# Altium PCB PCB-Tester-Board-V1.PcbDoc (part 1 of 7) (continued)
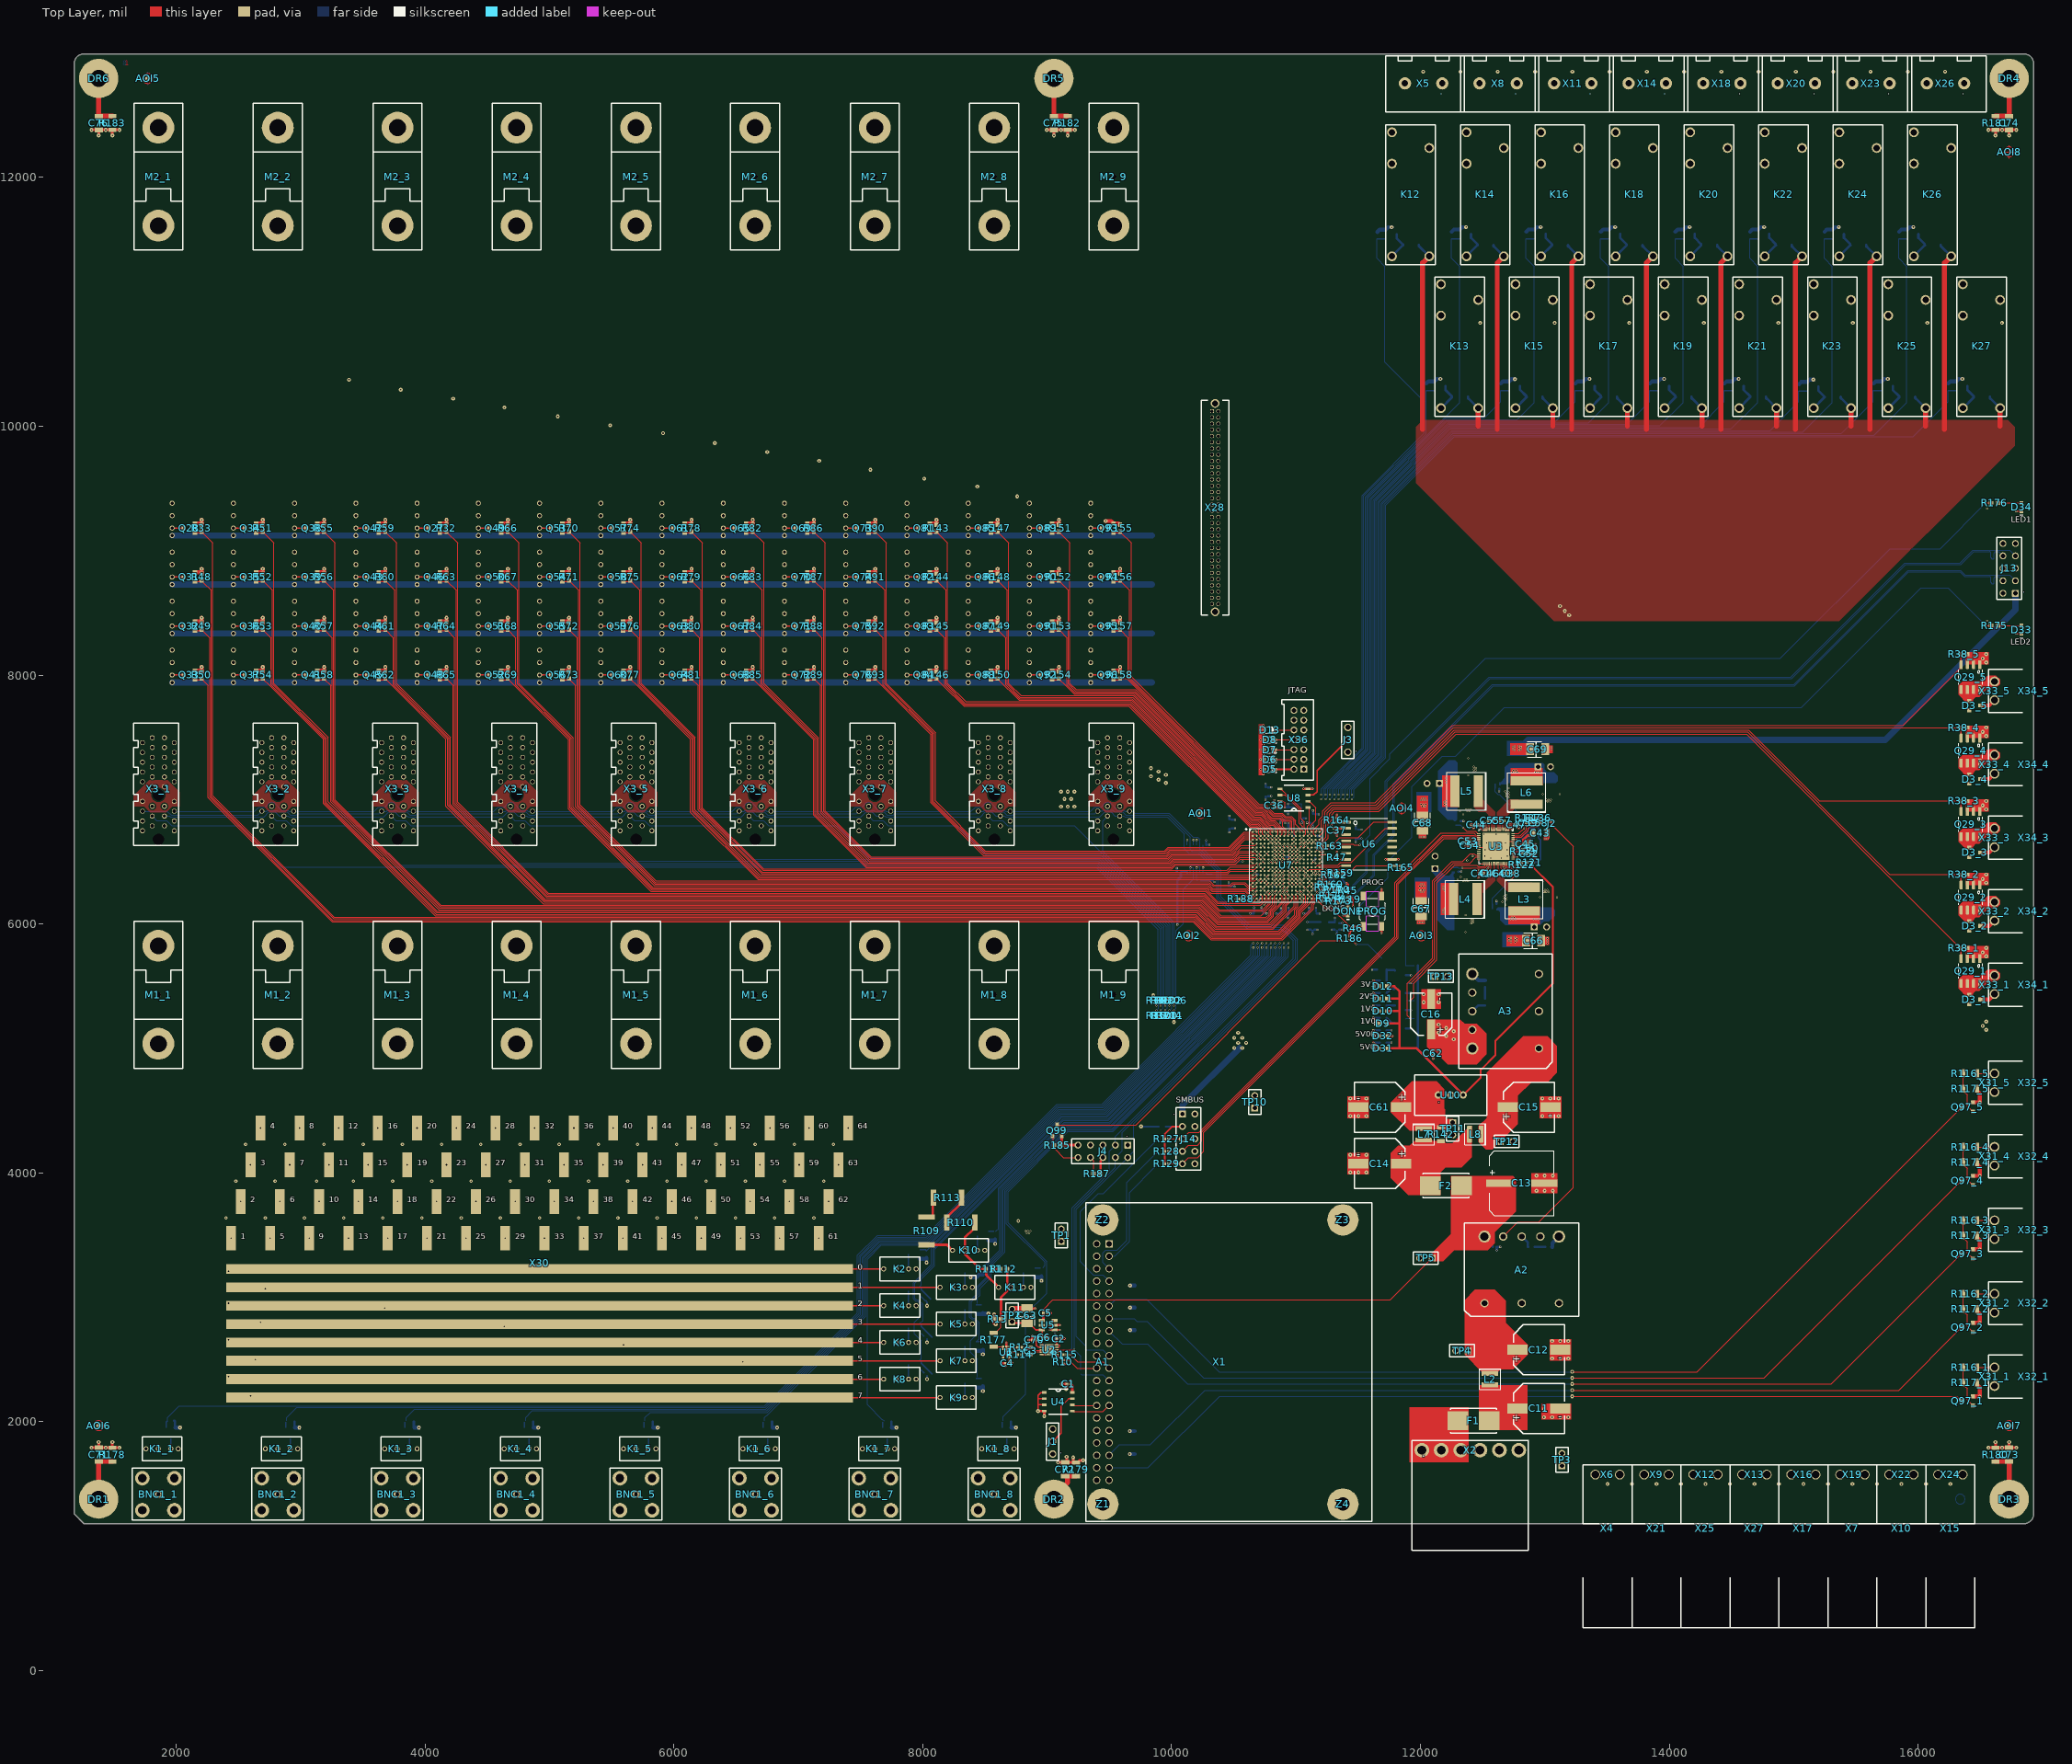
[diagram p0: Top Layer view]
## Classes and differential pairs (continued)
differential pair F_HS1_15: +F_HS1_15_P -F_HS1_15_N

## Components (designator, comment, footprint, x,y, rotation, side; value= is the part's Value field where it differs from the comment)
A1 "A" RPI4B 9448.82,2480.32 r270 top locked
A2 "A" I3A-POSETIVE 12814.96,3220.47 r90 top
A3 "A" I3A-POSETIVE 12685.04,5299.21 r180 top
AOI1 "AOI" "Fiducial Point" 10236.22,6889.76 r0 top
AOI2 "AOI" "Fiducial Point" 10137.8,5905.51 r90 top
AOI3 "AOI" "Fiducial Point" 12007.87,5905.51 r90 top
AOI4 "AOI" "Fiducial Cross" 11850.39,6929.13 r90 top
AOI5 "AOI" "Fiducial Point" 1771.65,12795.28 r90 top
AOI6 "AOI" "Fiducial Point" 1377.95,1968.5 r90 top
AOI7 "AOI" "Fiducial Point" 16732.28,1968.5 r90 top
AOI8 "AOI" "Fiducial Cross" 16732.28,12204.72 r90 top
AOI9 "AOI" "Fiducial Point" 1377.95,1968.5 r90 bottom
AOI10 "AOI" "Fiducial Point" 16338.58,1377.95 r90 bottom
AOI11 "AOI" "Fiducial Point" 16732.28,12204.72 r90 bottom
AOI12 "AOI" "Fiducial Cross" 1771.65,12795.28 r90 bottom
BNC1_1 "X" BNC 1857.78,1417.32 r180 top locked (schematic designator BNC1)
BNC1_2 "X" BNC 2817.42,1417.32 r180 top locked (schematic designator BNC1)
BNC1_3 "X" BNC 3777.07,1417.32 r180 top locked (schematic designator BNC1)
BNC1_4 "X" BNC 4736.71,1417.32 r180 top locked (schematic designator BNC1)
BNC1_5 "X" BNC 5696.36,1417.32 r180 top locked (schematic designator BNC1)
BNC1_6 "X" BNC 6656,1417.32 r180 top locked (schematic designator BNC1)
BNC1_7 "X" BNC 7615.65,1417.32 r180 top locked (schematic designator BNC1)
BNC1_8 "X" BNC 8575.3,1417.32 r180 top locked (schematic designator BNC1)
C1 "C" "C0402 Reflow" 9173.23,2303.15 r180 top value=100nF
C2 "C" "C0402 Reflow" 9094.49,2667.32 r0 top value=100nF
C3 "C" "C0603 Reflow" 8868.11,2568.9 r270 top value=2.2nF
C4 "C" "C0402 Reflow" 8681.1,2470.47 r180 top value=100nF
C5 "C" "C0402 Reflow" 8986.22,2874.02 r0 top value=100nF
C6 "C" "C0402 Reflow" 8976.38,2677.17 r0 top value=1uF
C7 "C" "C1206 Reflow" 12696.85,6456.69 r90 bottom value=10uF
C8 "C" "C1206 Reflow" 12795.28,6417.32 r90 bottom value=10uF
C9 "C" "C0805 Reflow" 11328.74,5984.25 r270 bottom value=10uF
C10 "C" "C0805 Reflow" 11133.86,5985.52 r270 bottom value=10uF
C11 "C+" SMD-CAP-ALU-G 12952.76,2106.3 r180 top value=330uF
C12 "C+" SMD-CAP-ALU-G 12952.76,2578.74 r180 top value=100uF
C13 "C+" CAP_EL_KE0 12814.96,3917.32 r90 top value=680µF
C14 "C+" SMD-CAP-ALU-G 11673.23,4074.8 r0 top value=330uF
C15 "C+" SMD-CAP-ALU-G 12874.02,4527.56 r180 top value=100uF
C16 "C+" SMD-CAP-ALU-E 12086.61,5275.59 r270 top value=220µF
C17 "C" "C0402 Reflow" 10937.01,6921.26 r270 bottom value=100nF
C18 "C" "C1206 Reflow" 12519.68,6456.69 r90 bottom value=10uF
C19 "C" "C1206 Reflow" 12421.26,6456.69 r90 bottom value=10uF
C20 "C" "C1206 Reflow" 12565,6742.58 r270 bottom value=DNM
C21 "C" "C1206 Reflow" 12453,6780 r270 bottom value=DNM
C22 "C" "C1206 Reflow" 12765,6779 r270 bottom value=10uF
C23 "C" "C1206 Reflow" 12650,6742.58 r270 bottom value=10uF
C24 "C" "C1210 Reflow" 12754.27,6151.47 r90 bottom value=47uF
C25 "C" "C1210 Reflow" 12892.06,6151.47 r90 bottom value=47uF
C26 "C" "C1210 Reflow" 13029.86,6151.47 r90 bottom value=47uF
C27 "C" "C1210 Reflow" 12301.51,6279.43 r0 bottom value=47uF
C28 "C" "C1210 Reflow" 12301.51,6141.63 r0 bottom value=47uF
C29 "C" "C1210 Reflow" 12301.51,6003.83 r0 bottom value=47uF
C30 "C" "C1210 Reflow" 12322.65,6987.89 r0 bottom value=DNM
C31 "C" "C1210 Reflow" 12322.65,7125.69 r0 bottom value=DNM
C32 "C" "C1210 Reflow" 12322.65,7263.48 r0 bottom value=DNM
C33 "C" "C1210 Reflow" 12775.41,7106 r270 bottom value=47uF
C34 "C" "C1210 Reflow" 12913.2,7106 r270 bottom value=47uF
C35 "C" "C1210 Reflow" 13051,7106 r270 bottom value=47uF
C36 "C" "C0402 Reflow" 10826.77,6952.56 r270 top value=100nF
C37 "C" "C0402 Reflow" 11330.71,6751.97 r270 top value=100nF
C38 "C" "C0402 Reflow" 12726.38,6407.48 r0 top value=100nF
C39 "C" "C0402 Reflow" 12598.43,3405.51 r0 bottom value=DNM
C40 "C" "C0402 Reflow" 12657.48,6407.48 r180 top value=100nF
C41 "C" "C0402 Reflow" 12490.16,6407.48 r180 top value=100nF
C42 "C" "C0402 Reflow" 12661,6140 r90 bottom value=100nF
C43 "C" "C1206 Reflow" 12962.6,6732.28 r0 top value=10uF
C44 "C" "C0402 Reflow" 12448.59,6798.82 r180 top value=100nF
C45 "C" "C0402 Reflow" 12844.49,6643.7 r0 top value=100nF
C46 "C" "C0402 Reflow" 12559.06,6407.48 r0 top value=100nF
C47 "C" "C0402 Reflow" 12769.62,6798.82 r0 top value=100nF
C48 "C" "C0402 Reflow" 12283.46,6377.95 r0 bottom value=100nF
C49 "C" "C0805 Reflow" 12864.17,6624.02 r0 bottom value=2u2
C50 "C" "C0402 Reflow" 12874.02,6604.33 r0 top value=1nF
C51 "C" "C0805 Reflow" 12864.17,6545.28 r0 bottom value=2u2
C52 "C" "C0402 Reflow" 12874.02,6564.96 r0 top value=1nF
C53 "C" "C0402 Reflow" 12383.75,6663.39 r180 top value=100nF
C54 "C" "C0402 Reflow" 12399.5,6631.89 r180 top value=1uF
C55 "C" "C0402 Reflow" 12559.06,6830.71 r0 top value=DNM
C56 "C" "C0402 Reflow" 12303.15,6879.92 r0 bottom value=DNM
C57 "C" "C0402 Reflow" 12657.48,6830.71 r180 top value=100nF
C58 "C" "C0402 Reflow" 12948,6814 r180 top value=10nF
C59 "C" "C0402 Reflow" 12867,6814 r0 top value=10nF
C60 "C" "C0402 Reflow" 12682,7108.08 r270 bottom value=100nF
C61 "C+" SMD-CAP-ALU-G 11673.23,4527.56 r0 top value=100uF
C62 "C" "C0402 Reflow" 12102.36,4960.63 r270 top value=DNM
C63 "C+" CAP_TAN_B 8838.58,2854.33 r90 top value=10u
C64 "C" "C0402 Reflow" 8897.64,2657.48 r180 bottom value=1uF
C65 "C" "C0402 Reflow" 9100.93,2667.32 r0 bottom value=1uF
C66 "C+" CAP_TAN_B 12911,5866 r0 top value=47u
C67 "C+" CAP_TAN_B 12006.24,6121.94 r270 top value=47u
C68 "C+" CAP_TAN_B 12017.54,6810.72 r270 top value=47u
C69 "C+" CAP_TAN_B 12942,7405 r0 top value=47u
C70 "C" "C0402 Reflow" 8897.64,2657.48 r180 top value=1uF
C71 "C" "C1206 Reflow" 1377.95,1736.22 r270 top value=DNM
C72 "C" "C1206 Reflow" 9145.67,1618.11 r270 top value=DNM
C73 "C" "C1206 Reflow" 16732.28,1736.22 r270 top value=DNM
C74 "C" "C1206 Reflow" 16732.28,12437.01 r90 top value=DNM
C75 "C" "C1206 Reflow" 9055.12,12437.01 r90 top value=DNM
C76 "C" "C1206 Reflow" 1377.95,12437.01 r90 top value=DNM
C77 "C" "C0402 Reflow" 10059.06,6421.26 r180 bottom value=100nF
C310 "C" "C0805 Reflow" 10698.82,6088.58 r180 bottom value=47uF
C311 "C" "C0402 Reflow" 10968.5,6472.44 r180 bottom value=4u7F
C312 "C" "C0402 Reflow" 10799.21,6362.2 r90 bottom value=4u7F
C313 "C" "C0402 Reflow" 10897.64,6472.44 r0 bottom value=4u7F
C314 "C" "C0402 Reflow" 10921.26,6350.39 r270 bottom value=470nF
C315 "C" "C0402 Reflow" 10830.71,6472.44 r180 bottom value=470nF
C316 "C" "C0805 Reflow" 11131.69,6848.43 r90 bottom value=47uF
C317 "C" "C0402 Reflow" 10921.26,6588.38 r270 bottom value=470nF
C318 "C" "C0805 Reflow" 11125.98,6088.58 r180 bottom value=47uF
C430 "C" "C0402 Reflow" 11078.74,6483.27 r90 bottom value=4u7F
C431 "C" "C0402 Reflow" 11059.06,6602.36 r0 bottom value=4u7F
C432 "C" "C0402 Reflow" 11059.06,6566.93 r0 bottom value=470nF
C433 "C" "C0402 Reflow" 11011.81,6645.67 r90 bottom value=470nF
C434 "C" "C0402 Reflow" 11043.31,6389.76 r90 bottom value=470nF
C435 "C" "C0402 Reflow" 11039.37,6483.27 r90 bottom value=470nF
C436 "C" "C0805 Reflow" 10905.51,6087.6 r180 bottom value=47uF
C437 "C" "C0805 Reflow" 11342.52,6360.43 r180 bottom value=47uF
C438 "C" "C0402 Reflow" 10972.44,6248.03 r180 bottom value=4u7F
C439 "C" "C0402 Reflow" 11169.29,6303.15 r270 bottom value=4u7F
C440 "C" "C0402 Reflow" 11149.61,6236.22 r90 bottom value=470nF
C441 "C" "C0402 Reflow" 11074.8,6326.77 r270 bottom value=470nF
C442 "C" "C0402 Reflow" 11165.35,6366.14 r0 bottom value=470nF
C443 "C" "C0402 Reflow" 11078.74,6240.16 r90 bottom value=470nF
C444 "C" "C0805 Reflow" 11484.68,6723.43 r270 bottom value=47uF
C445 "C" "C0402 Reflow" 11090.55,6531.5 r180 bottom value=4u7F
C446 "C" "C0402 Reflow" 11145.67,6618.11 r270 bottom value=4u7F
C447 "C" "C0402 Reflow" 11110.24,6417.13 r270 bottom value=470nF
C448 "C" "C0402 Reflow" 11157.48,6547.24 r270 bottom value=470nF
C449 "C" "C0402 Reflow" 11157.48,6708.66 r0 bottom value=470nF
C450 "C" "C0402 Reflow" 11078.74,6708.66 r90 bottom value=470nF
C451 "C" "C0805 Reflow" 10759.84,7062.99 r90 bottom value=47uF
C452 "C" "C0402 Reflow" 10940.94,6767.72 r90 bottom value=4u7F
C453 "C" "C0402 Reflow" 10889.76,6838.58 r180 bottom value=4u7F
C454 "C" "C0402 Reflow" 10952.53,6678.26 r270 bottom value=470nF
C455 "C" "C0402 Reflow" 10874.02,6720.47 r180 bottom value=470nF
C456 "C" "C0805 Reflow" 10464.57,6266.73 r90 bottom value=47uF
C457 "C" "C0402 Reflow" 10641.73,6271.65 r90 bottom value=4u7F
C458 "C" "C0402 Reflow" 10783.46,6287.4 r180 bottom value=4u7F
C459 "C" "C0402 Reflow" 10818.9,6208.66 r90 bottom value=470nF
C460 "C" "C0402 Reflow" 10712.6,6232.28 r270 bottom value=470nF
C461 "C" "C0402 Reflow" 10712.6,6397.64 r180 bottom value=470nF
C462 "C" "C0402 Reflow" 10716.54,6307.09 r0 bottom value=470nF
C463 "C" "C0805 Reflow" 10468.5,6803.15 r270 bottom value=47uF
C464 "C" "C0402 Reflow" 10736.22,6586.61 r90 bottom value=4u7F
C465 "C" "C0402 Reflow" 10669.29,6712.6 r90 bottom value=4u7F
C466 "C" "C0402 Reflow" 10791.34,6736.22 r270 bottom value=470nF
C467 "C" "C0402 Reflow" 10751.97,6657.48 r180 bottom value=470nF
C468 "C" "C0402 Reflow" 10681.1,6661.42 r180 bottom value=470nF
C469 "C" "C0402 Reflow" 10657.48,6535.43 r0 bottom value=470nF
C470 "C" "C0402 Reflow" 11240.16,6314.96 r90 bottom value=DNM
C471 "C" "C0402 Reflow" 10921.26,6523.62 r270 bottom value=100nF
C476 "C" "C0402 Reflow" 10921.26,6417.32 r90 bottom value=4u7F
C477 "C" "C0402 Reflow" 10799.21,6582.68 r90 bottom value=4u7F
D3_1 "D" SOT23-3 16456.69,5393.7 r90 top (schematic designator D3)
D3_2 "D" SOT23-3 16456.69,5984.25 r90 top (schematic designator D3)
D3_3 "D" SOT23-3 16456.69,6574.8 r90 top (schematic designator D3)
D3_4 "D" SOT23-3 16456.69,7165.35 r90 top (schematic designator D3)
D3_5 "D" SOT23-3 16456.69,7755.91 r90 top (schematic designator D3)
D5 "D" SOD323 10791.34,7244.09 r0 top
D6 "D" SOD323 10791.34,7322.83 r0 top
D7 "D" SOD323 10791.34,7401.57 r0 top
D8 "D" SOD323 10791.34,7480.31 r0 top
D9 "D" L0603G 11700,5200 r180 top
D10 "D" L0603G 11700,5300 r180 top
D11 "D" L0603G 11700,5400 r180 top
D12 "D" L0603G 11700,5500 r180 top
D13 "D" SOD323 10791.34,7559.06 r0 top
D14 "D" SOD123 11925.2,11455.18 r0 bottom
D15 "D" SOD123 12317.39,10236.22 r0 bottom
D16 "D" SOD123 12522.9,11456.69 r0 bottom
D17 "D" SOD123 12916.6,10236.22 r0 bottom
D18 "D" SOD123 13122.11,11456.69 r0 bottom
D19 "D" SOD123 13515.82,10236.22 r0 bottom
D20 "D" SOD123 13721.33,11456.69 r0 bottom
D21 "D" SOD123 14115.03,10236.22 r0 bottom
D22 "D" SOD123 14320.54,11456.69 r0 bottom
D23 "D" SOD123 14714.24,10236.22 r0 bottom
D24 "D" SOD123 14919.75,11456.69 r0 bottom
D25 "D" SOD123 15313.45,10231.02 r0 bottom
D26 "D" SOD123 15518.96,11456.69 r0 bottom
D27 "D" SOD123 15912.67,10236.22 r0 bottom
D28 "D" SOD123 16118.18,11456.69 r0 bottom
D29 "D" SOD123 16511.88,10236.22 r0 bottom
D31 "D" L0603G 11700,5000 r180 top
D32 "D" L0603G 11700,5100 r180 top
D33 "D" L0603G 16830.71,8366.14 r270 top
D34 "D" L0603G 16830.71,9350.39 r270 top
DONE "D" L0603G 11417.32,6102.36 r270 top locked
DR1 "3.4mm" HOLE_3.4mm 1377.95,1377.95 r0 top locked
DR2 "3.4mm" HOLE_3.4mm 9055.12,1377.95 r0 top locked
DR3 "3.4mm" HOLE_3.4mm 16732.28,1377.95 r0 top locked
DR4 "3.4mm" HOLE_3.4mm 16732.28,12795.28 r0 top locked
DR5 "3.4mm" HOLE_3.4mm 9055.12,12795.28 r0 top locked
DR6 "3.4mm" HOLE_3.4mm 1377.95,12795.28 r0 top locked
F1 "F" OMNI-Fuse 12428.74,2007.87 r0 top value=2.5A
F2 "F" OMNI-Fuse 12204.72,3897.64 r180 top value=3A
J1 "J" "Header 100mil 3x1" 9045.28,1840.55 r90 top
J2 "J" NT0201 13056,6807.56 r270 top net-tie
J3 "J" "Header 100mil 3x1" 11417.32,7480.31 r90 top
J4 "J" "Header 100mil 5x2" 9448.82,4173.23 r180 top locked
J5 "J" JumperSMD 12714.9,5964.46 r270 bottom value=0R
J6 "J" JumperSMD 12773.95,5964.46 r270 bottom value=0R
J7 "J" JumperSMD 12104.66,6318.8 r180 bottom value=0R
J8 "J" JumperSMD 12104.66,6259.74 r180 bottom value=0R
J9 "J" JumperSMD 12115.96,7007.57 r180 bottom value=DNM
J10 "J" JumperSMD 12115.96,6948.52 r180 bottom value=DNM
J11 "J" JumperSMD 12804.94,7322.54 r90 bottom value=0R
J12 "J" JumperSMD 12745.88,7322.54 r90 bottom value=0R
J13 "J" "Header 100mil 5x2" 16732.28,8858.27 r90 top
J14 "J" "Header 100mil 5x2" 10137.8,4273.23 r270 top
J15 "J" JumperSMD 9923.76,4373.23 r180 bottom value=0R
J16 "J" JumperSMD 9923.76,4073.23 r180 bottom value=0R
J17 "J" JumperSMD 9923.76,4173.23 r180 bottom value=0R
J18 "J" JumperSMD 9923.76,4273.23 r180 bottom value=0R
K1_1 "K" 118-1A 1887.78,1782.32 r180 top (schematic designator K1)
K1_2 "K" 118-1A 2847.42,1782.32 r180 top (schematic designator K1)
K1_3 "K" 118-1A 3807.07,1782.32 r180 top (schematic designator K1)
K1_4 "K" 118-1A 4766.71,1782.32 r180 top (schematic designator K1)
K1_5 "K" 118-1A 5726.36,1782.32 r180 top (schematic designator K1)
K1_6 "K" 118-1A 6686,1782.32 r180 top (schematic designator K1)
K1_7 "K" 118-1A 7645.65,1782.32 r180 top (schematic designator K1)
K1_8 "K" 118-1A 8605.3,1782.32 r180 top (schematic designator K1)
K2 "K" 118-1A 7817.01,3228.35 r180 top
K3 "K" 118-1A 8269.76,3080.71 r180 top
K4 "K" 118-1A 7817.01,2933.07 r180 top
K5 "K" 118-1A 8269.76,2785.43 r180 top
K6 "K" 118-1A 7817.01,2637.8 r180 top
K7 "K" 118-1A 8269.76,2490.16 r180 top
K8 "K" 118-1A 7817.01,2342.52 r180 top
K9 "K" 118-1A 8269.76,2194.88 r180 top
K10 "K" 118-1A 8369.76,3377.56 r180 top
K11 "K" 118-1A 8740.16,3080.71 r180 top
K12 "K" HF118F005-1ZS1 11921.65,11860.24 r90 top
K13 "K" HF118F005-1ZS1 12315.35,10639.76 r90 top
K14 "K" HF118F005-1ZS1 12520.87,11860.24 r90 top
K15 "K" HF118F005-1ZS1 12914.57,10639.76 r90 top
K16 "K" HF118F005-1ZS1 13120.08,11860.24 r90 top
K17 "K" HF118F005-1ZS1 13513.78,10639.76 r90 top
K18 "K" HF118F005-1ZS1 13719.29,11860.24 r90 top
K19 "K" HF118F005-1ZS1 14112.99,10639.76 r90 top
K20 "K" HF118F005-1ZS1 14318.5,11860.24 r90 top
K21 "K" HF118F005-1ZS1 14712.2,10639.76 r90 top
K22 "K" HF118F005-1ZS1 14917.72,11860.24 r90 top
K23 "K" HF118F005-1ZS1 15311.42,10639.76 r90 top
K24 "K" HF118F005-1ZS1 15516.93,11860.24 r90 top
K25 "K" HF118F005-1ZS1 15910.63,10639.76 r90 top
K26 "K" HF118F005-1ZS1 16116.14,11860.24 r90 top
K27 "K" HF118F005-1ZS1 16509.84,10639.76 r90 top
K28 "K" 118-1A 1968.5,9251.97 r90 bottom
K29 "K" 118-1A 1968.5,8858.27 r90 bottom
K30 "K" 118-1A 1968.5,8464.57 r90 bottom
K31 "K" 118-1A 1968.5,8070.87 r90 bottom
K32 "K" 118-1A 2460.63,9251.97 r90 bottom
K33 "K" 118-1A 2460.63,8858.27 r90 bottom
K34 "K" 118-1A 2460.63,8464.57 r90 bottom
K35 "K" 118-1A 2460.63,8070.87 r90 bottom
K36 "K" 118-1A 2952.76,9251.97 r90 bottom
K37 "K" 118-1A 2952.76,8858.27 r90 bottom
K38 "K" 118-1A 2952.76,8464.57 r90 bottom
K39 "K" 118-1A 2952.76,8070.87 r90 bottom
K40 "K" 118-1A 3444.88,9251.97 r90 bottom
K41 "K" 118-1A 3444.88,8858.27 r90 bottom
K42 "K" 118-1A 3444.88,8464.57 r90 bottom
K43 "K" 118-1A 3444.88,8070.87 r90 bottom
K44 "K" 118-1A 3937.01,9251.97 r90 bottom
K45 "K" 118-1A 3937.01,8858.27 r90 bottom
K46 "K" 118-1A 3937.01,8464.57 r90 bottom
K47 "K" 118-1A 3937.01,8070.87 r90 bottom
K48 "K" 118-1A 4429.13,9251.97 r90 bottom
K49 "K" 118-1A 4429.13,8858.27 r90 bottom
K50 "K" 118-1A 4429.13,8464.57 r90 bottom
K51 "K" 118-1A 4429.13,8070.87 r90 bottom
K52 "K" 118-1A 4921.26,9251.97 r90 bottom
K53 "K" 118-1A 4921.26,8858.27 r90 bottom
K54 "K" 118-1A 4921.26,8464.57 r90 bottom
K55 "K" 118-1A 4921.26,8070.87 r90 bottom
K56 "K" 118-1A 5413.39,9251.97 r90 bottom
K57 "K" 118-1A 5413.39,8858.27 r90 bottom
K58 "K" 118-1A 5413.39,8464.57 r90 bottom
K59 "K" 118-1A 5413.39,8070.87 r90 bottom
K60 "K" 118-1A 5905.51,9251.97 r90 bottom
K61 "K" 118-1A 5905.51,8858.27 r90 bottom
K62 "K" 118-1A 5905.51,8464.57 r90 bottom
K63 "K" 118-1A 5905.51,8070.87 r90 bottom
K64 "K" 118-1A 6397.64,9251.97 r90 bottom
K65 "K" 118-1A 6397.64,8858.27 r90 bottom
K66 "K" 118-1A 6397.64,8464.57 r90 bottom
K67 "K" 118-1A 6397.64,8070.87 r90 bottom
K68 "K" 118-1A 6889.76,9251.97 r90 bottom
K69 "K" 118-1A 6889.76,8858.27 r90 bottom
K70 "K" 118-1A 6889.76,8464.57 r90 bottom
K71 "K" 118-1A 6889.76,8070.87 r90 bottom
K72 "K" 118-1A 7381.89,9251.97 r90 bottom
K73 "K" 118-1A 7381.89,8858.27 r90 bottom
K74 "K" 118-1A 7381.89,8464.57 r90 bottom
K75 "K" 118-1A 7381.89,8070.87 r90 bottom
K76 "K" 118-1A 7874.02,9251.97 r90 bottom
K77 "K" 118-1A 7874.02,8858.27 r90 bottom
K78 "K" 118-1A 7874.02,8464.57 r90 bottom
K79 "K" 118-1A 7874.02,8070.87 r90 bottom
K80 "K" 118-1A 8366.14,9251.97 r90 bottom
K81 "K" 118-1A 8366.14,8858.27 r90 bottom
K82 "K" 118-1A 8366.14,8464.57 r90 bottom
K83 "K" 118-1A 8366.14,8070.87 r90 bottom
K84 "K" 118-1A 8858.27,9251.97 r90 bottom
K85 "K" 118-1A 8858.27,8858.27 r90 bottom
K86 "K" 118-1A 8858.27,8464.57 r90 bottom
K87 "K" 118-1A 8858.27,8070.87 r90 bottom
K88 "K" 118-1A 9350.39,9251.97 r90 bottom
K89 "K" 118-1A 9350.39,8858.27 r90 bottom
K90 "K" 118-1A 9350.39,8464.57 r90 bottom
K91 "K" 118-1A 9350.39,8070.87 r90 bottom
L1 "L" FB0805 11232.28,6015.75 r180 bottom
L2 "L" XAL4020 12559.06,2342.52 r270 top
L3 "L" XAL7070 12833.01,6200.69 r270 top
L4 "L" XAL7070 12360.57,6200.69 r180 top
L5 "L" XAL7070 12371.87,7066.63 r180 top
L6 "L" XAL7070 12854.15,7056.79 r90 top
L7 "L" XAL4020 12027.56,4311.02 r270 top
L8 "L" XAL4020 12440.94,4311.02 r180 top
M1_1 "PCB Support" "PCB Tester Support" 1857.78,5431.32 r90 top locked (schematic designator M1)
M1_2 "PCB Support" "PCB Tester Support" 2817.42,5431.32 r90 top locked (schematic designator M1)
M1_3 "PCB Support" "PCB Tester Support" 3779.53,5431.32 r90 top locked (schematic designator M1)
M1_4 "PCB Support" "PCB Tester Support" 4736.71,5431.32 r90 top locked (schematic designator M1)
M1_5 "PCB Support" "PCB Tester Support" 5696.36,5431.32 r90 top locked (schematic designator M1)
M1_6 "PCB Support" "PCB Tester Support" 6653.54,5431.32 r90 top locked (schematic designator M1)
M1_7 "PCB Support" "PCB Tester Support" 7615.65,5431.32 r90 top locked (schematic designator M1)
M1_8 "PCB Support" "PCB Tester Support" 8575.3,5431.32 r90 top locked (schematic designator M1)
M1_9 "PCB Support" "PCB Tester Support" 9534.96,5431.32 r90 top locked (schematic designator M1)
M2_1 "PCB Support" "PCB Tester Support" 1857.78,12006.12 r270 top locked (schematic designator M2)
M2_2 "PCB Support" "PCB Tester Support" 2817.42,12006.12 r270 top locked (schematic designator M2)
M2_3 "PCB Support" "PCB Tester Support" 3779.53,12006.12 r270 top locked (schematic designator M2)
M2_4 "PCB Support" "PCB Tester Support" 4736.71,12006.12 r270 top locked (schematic designator M2)
M2_5 "PCB Support" "PCB Tester Support" 5696.36,12006.12 r270 top locked (schematic designator M2)
M2_6 "PCB Support" "PCB Tester Support" 6653.54,12006.12 r270 top locked (schematic designator M2)
M2_7 "PCB Support" "PCB Tester Support" 7615.65,12006.12 r270 top locked (schematic designator M2)
M2_8 "PCB Support" "PCB Tester Support" 8575.3,12006.12 r270 top locked (schematic designator M2)
M2_9 "PCB Support" "PCB Tester Support" 9534.96,12006.12 r270 top locked (schematic designator M2)
PROG "SKQGABE010" SKQGABE010 11614.17,6102.36 r90 top locked
Q1 "Q" SOT23-3 7932.28,3345.67 r90 bottom
Q2 "Q" SOT23-3 8385.04,3198.03 r90 bottom
Q3 "Q" SOT23-3 7932.28,3050.39 r90 bottom
Q4 "Q" SOT23-3 8385.04,2902.76 r90 bottom
Q5 "Q" SOT23-3 7932.28,2755.12 r90 bottom
Q6 "Q" SOT23-3 8385.04,2607.48 r90 bottom
Q7 "Q" SOT23-3 7932.28,2459.84 r90 bottom
Q8 "Q" SOT23-3 8385.04,2312.2 r90 bottom
Q9 "Q" SOT23-3 8485.04,3494.88 r90 bottom
Q10 "Q" SOT23-3 8855.43,3198.03 r90 bottom
Q11 "Q" SOT23-3 16351.2,10323.6 r270 bottom
Q12 "Q" SOT23-3 11764.52,11542.57 r270 bottom
Q13 "Q" SOT23-3 12156.71,10323.6 r270 bottom
Q14 "Q" SOT23-3 12362.22,11544.08 r270 bottom
Q15 "Q" SOT23-3 12755.92,10323.6 r270 bottom
Q16 "Q" SOT23-3 12961.44,11544.08 r270 bottom
Q17 "Q" SOT23-3 13355.14,10323.6 r270 bottom
Q18 "Q" SOT23-3 13560.65,11544.08 r270 bottom
Q19 "Q" SOT23-3 13954.35,10323.6 r270 bottom
Q20 "Q" SOT23-3 14159.86,11544.08 r270 bottom
Q21 "Q" SOT23-3 14553.56,10323.6 r270 bottom
Q22 "Q" SOT23-3 14759.07,11544.08 r270 bottom
Q23 "Q" SOT23-3 15152.77,10318.4 r270 bottom
Q24 "Q" SOT23-3 15358.29,11544.08 r270 bottom
Q25 "Q" SOT23-3 15751.99,10323.6 r270 bottom
Q26 "Q" SOT23-3 15957.5,11544.08 r270 bottom
Q27 "Q" SOT23-3 4074.8,9181.97 r270 top
Q28 "Q" SOT23-3 2106.3,9181.97 r270 top
Q29_1 "Q" SOIC-8_MOSFET 16421.06,5622.05 r270 top (schematic designator Q29)
Q29_2 "Q" SOIC-8_MOSFET 16421.06,6212.6 r270 top (schematic designator Q29)
Q29_3 "Q" SOIC-8_MOSFET 16421.06,6803.15 r270 top (schematic designator Q29)
Q29_4 "Q" SOIC-8_MOSFET 16421.06,7393.7 r270 top (schematic designator Q29)
Q29_5 "Q" SOIC-8_MOSFET 16421.06,7984.25 r270 top (schematic designator Q29)
Q30 "Q" SOT23-3 11840.55,5200 r90 bottom
Q31 "Q" SOT23-3 2106.3,8788.27 r270 top
Q32 "Q" SOT23-3 2106.3,8394.57 r270 top
Q33 "Q" SOT23-3 2106.3,8000.87 r270 top
Q34 "Q" SOT23-3 2598.43,9181.97 r270 top
Q35 "Q" SOT23-3 2598.43,8788.27 r270 top
Q36 "Q" SOT23-3 2598.43,8394.57 r270 top
Q37 "Q" SOT23-3 2598.43,8000.87 r270 top
Q38 "Q" SOT23-3 3090.55,9181.97 r270 top
Q39 "Q" SOT23-3 3090.55,8788.27 r270 top
Q40 "Q" SOT23-3 3090.55,8394.57 r270 top
Q41 "Q" SOT23-3 3090.55,8000.87 r270 top
Q42 "Q" SOT23-3 3582.68,9181.97 r270 top
Q43 "Q" SOT23-3 3582.68,8788.27 r270 top
Q44 "Q" SOT23-3 3582.68,8394.57 r270 top
Q45 "Q" SOT23-3 3582.68,8000.87 r270 top
Q46 "Q" SOT23-3 4074.8,8788.27 r270 top
Q47 "Q" SOT23-3 4074.8,8394.57 r270 top
Q48 "Q" SOT23-3 4074.8,8000.87 r270 top
Q49 "Q" SOT23-3 4566.93,9181.97 r270 top
Q50 "Q" SOT23-3 4566.93,8788.27 r270 top
Q51 "Q" SOT23-3 4566.93,8394.57 r270 top
Q52 "Q" SOT23-3 4566.93,8000.87 r270 top
Q53 "Q" SOT23-3 5059.06,9181.97 r270 top
Q54 "Q" SOT23-3 5059.06,8788.27 r270 top
Q55 "Q" SOT23-3 5059.06,8394.57 r270 top
Q56 "Q" SOT23-3 5059.06,8000.87 r270 top
Q57 "Q" SOT23-3 5551.18,9181.97 r270 top
Q58 "Q" SOT23-3 5551.18,8788.27 r270 top
Q59 "Q" SOT23-3 5547.43,8394.57 r270 top
Q60 "Q" SOT23-3 5551.18,8000.87 r270 top
Q61 "Q" SOT23-3 6043.31,9181.97 r270 top
Q62 "Q" SOT23-3 6043.31,8788.27 r270 top
Q63 "Q" SOT23-3 6043.31,8394.57 r270 top
Q64 "Q" SOT23-3 6043.31,8000.87 r270 top
Q65 "Q" SOT23-3 6535.43,9181.97 r270 top
Q66 "Q" SOT23-3 6535.43,8788.27 r270 top
Q67 "Q" SOT23-3 6535.43,8394.57 r270 top
Q68 "Q" SOT23-3 6535.43,8000.87 r270 top
Q69 "Q" SOT23-3 7027.56,9181.97 r270 top
Q70 "Q" SOT23-3 7027.56,8788.27 r270 top
Q71 "Q" SOT23-3 7027.56,8394.57 r270 top
Q72 "Q" SOT23-3 7027.56,8000.87 r270 top
Q73 "Q" SOT23-3 7519.69,9181.97 r270 top
Q74 "Q" SOT23-3 7519.69,8788.27 r270 top
Q75 "Q" SOT23-3 7519.69,8394.57 r270 top
Q76 "Q" SOT23-3 7519.69,8000.87 r270 top
Q77_1 "Q" SOT23-3 1957.78,1907.6 r180 bottom (schematic designator Q77)
Q77_2 "Q" SOT23-3 2917.42,1907.6 r180 bottom (schematic designator Q77)
Q77_3 "Q" SOT23-3 3877.07,1907.6 r180 bottom (schematic designator Q77)
Q77_4 "Q" SOT23-3 4836.71,1907.6 r180 bottom (schematic designator Q77)
Q77_5 "Q" SOT23-3 5796.36,1907.6 r180 bottom (schematic designator Q77)
Q77_6 "Q" SOT23-3 6756,1907.6 r180 bottom (schematic designator Q77)
Q77_7 "Q" SOT23-3 7715.65,1907.6 r180 bottom (schematic designator Q77)
Q77_8 "Q" SOT23-3 8675.3,1907.6 r180 bottom (schematic designator Q77)
Q78 "Q" SOT23-3 11840.55,5345.01 r90 bottom
Q79 "Q" SOT23-3 11840.55,5484.25 r90 bottom
Q80 "Q" SOT23-3 11840.55,5625.98 r90 bottom
Q81 "Q" SOT23-3 8011.81,9181.97 r270 top
Q82 "Q" SOT23-3 8011.81,8788.27 r270 top
Q83 "Q" SOT23-3 8011.81,8394.57 r270 top
Q84 "Q" SOT23-3 8011.81,8000.87 r270 top
Q85 "Q" SOT23-3 8503.94,9181.97 r270 top
Q86 "Q" SOT23-3 8503.94,8788.27 r270 top
Q87 "Q" SOT23-3 8503.94,8394.57 r270 top
Q88 "Q" SOT23-3 8503.94,8000.87 r270 top
Q89 "Q" SOT23-3 8996.06,9181.97 r270 top
Q90 "Q" SOT23-3 8996.06,8788.27 r270 top
Q91 "Q" SOT23-3 8996.06,8394.57 r270 top
Q92 "Q" SOT23-3 8996.06,8000.87 r270 top
Q93 "Q" SOT23-3 9488.19,9181.97 r270 top
Q94 "Q" SOT23-3 9488.19,8788.27 r270 top
Q95 "Q" SOT23-3 9488.19,8394.57 r270 top
Q96 "Q" SOT23-3 9488.19,8000.87 r270 top
Q97_1 "Q" SOT23-3 16395.67,2167.32 r270 top (schematic designator Q97)
Q97_2 "Q" SOT23-3 16395.67,2757.87 r270 top (schematic designator Q97)
Q97_3 "Q" SOT23-3 16395.67,3348.43 r270 top (schematic designator Q97)
Q97_4 "Q" SOT23-3 16395.67,3938.98 r270 top (schematic designator Q97)
Q97_5 "Q" SOT23-3 16395.67,4529.53 r270 top (schematic designator Q97)
Q98 "Q" SOT23-3 11689.63,5679.13 r0 bottom
Q99 "Q" SOT23-3 9080.71,4340.55 r180 top
R1_1 "R" "R0603 Reflow" 1957.78,2007.32 r180 bottom value=4K7 (schematic designator R1)
R1_2 "R" "R0603 Reflow" 2917.42,2007.32 r180 bottom value=4K7 (schematic designator R1)
R1_3 "R" "R0603 Reflow" 3877.07,2007.32 r180 bottom value=4K7 (schematic designator R1)
R1_4 "R" "R0603 Reflow" 4836.71,2007.32 r180 bottom value=4K7 (schematic designator R1)
R1_5 "R" "R0603 Reflow" 5796.36,2007.32 r180 bottom value=4K7 (schematic designator R1)
R1_6 "R" "R0603 Reflow" 6756,2007.32 r180 bottom value=4K7 (schematic designator R1)
R1_7 "R" "R0603 Reflow" 7715.65,2007.32 r180 bottom value=4K7 (schematic designator R1)
R1_8 "R" "R0603 Reflow" 8675.3,2007.32 r180 bottom value=4K7 (schematic designator R1)
R2 "R" "R0603 Reflow" 8031.5,3345.67 r90 bottom value=4K7
R3 "R" "R0603 Reflow" 8485.62,3213.78 r90 bottom value=4K7
R4 "R" "R0603 Reflow" 8051.18,2972.44 r0 bottom value=4K7
R5 "R" "R0603 Reflow" 8484.25,2902.76 r90 bottom value=4K7
R6 "R" "R0603 Reflow" 8051.18,2677.17 r0 bottom value=4K7
R7 "R" "R0603 Reflow" 8484.25,2607.48 r90 bottom value=4K7
R8 "R" "R0603 Reflow" 8051.18,2381.89 r0 bottom value=4K7
R9 "R" "R0603 Reflow" 8484.25,2312.2 r90 bottom value=4K7
R10 "R" "R0402 Reflow" 9127.95,2480.32 r270 top value=10K
R11 "R" "R0402 Reflow" 10019.14,5263.31 r270 top value=10K
R12 "R" "R0402 Reflow" 8779.53,2598.43 r180 top value=33
R13 "R" "R0603 Reflow" 8602.36,2824.8 r0 top value=1k8
R14 "R" "R0603 Reflow" 8582.68,3494.88 r90 bottom value=4K7
R15 "R" "R0603 Reflow" 8954.65,3198.03 r90 bottom value=4K7
R16 "R" "R0603 Reflow" 16239.49,10313.76 r270 bottom value=4K7
R17 "R" "R0603 Reflow" 11652.8,11532.73 r270 bottom value=4K7
R18 "R" "R0603 Reflow" 12045,10313.76 r270 bottom value=4K7
R19 "R" "R0603 Reflow" 12250.51,11534.23 r270 bottom value=4K7
R20 "R" "R0603 Reflow" 12644.21,10313.76 r270 bottom value=4K7
R21 "R" "R0603 Reflow" 12849.72,11534.23 r270 bottom value=4K7
R22 "R" "R0603 Reflow" 13243.42,10313.76 r270 bottom value=4K7
R23 "R" "R0603 Reflow" 13448.93,11534.23 r270 bottom value=4K7
R24 "R" "R0603 Reflow" 13842.64,10313.76 r270 bottom value=4K7
R25 "R" "R0603 Reflow" 14048.15,11534.23 r270 bottom value=4K7
R26 "R" "R0603 Reflow" 14441.85,10313.76 r270 bottom value=4K7
R27 "R" "R0603 Reflow" 14647.36,11534.23 r270 bottom value=4K7
R28 "R" "R0603 Reflow" 15041.06,10308.56 r270 bottom value=4K7
R29 "R" "R0603 Reflow" 15246.57,11534.23 r270 bottom value=4K7
R30 "R" "R0603 Reflow" 15640.27,10313.76 r270 bottom value=4K7
R31 "R" "R0603 Reflow" 15845.78,11534.23 r270 bottom value=4K7
R32 "R" "R0603 Reflow" 4173.23,9181.97 r270 top value=4K7
R33 "R" "R0603 Reflow" 2204.72,9181.97 r270 top value=4K7
R34 "R" "R0402 Reflow" 9878.5,5386.57 r90 top value=10K
R35 "R" "R0402 Reflow" 9878.5,5263.31 r270 top value=10K
R36 "R" "R0402 Reflow" 9913.66,5386.57 r90 top value=10K
R37 "R" "R0402 Reflow" 9913.66,5263.31 r270 top value=10K
R38_1 "R" "R0603 Reflow" 16368.11,5807.09 r180 top value=4K7 (schematic designator R38)
R38_2 "R" "R0603 Reflow" 16368.11,6397.64 r180 top value=4K7 (schematic designator R38)
R38_3 "R" "R0603 Reflow" 16368.11,6988.19 r180 top value=4K7 (schematic designator R38)
R38_4 "R" "R0603 Reflow" 16368.11,7578.74 r180 top value=4K7 (schematic designator R38)
R38_5 "R" "R0603 Reflow" 16368.11,8169.29 r180 top value=4K7 (schematic designator R38)
R39 "R" "R0603 Reflow" 12893.7,3405.51 r180 bottom value=1K8
R40 "R" "R0603 Reflow" 13031.5,3405.51 r180 bottom value=16
R41 "R" "R0603 Reflow" 12519.68,5374.02 r270 bottom value=8K56
R42 "R" "R0603 Reflow" 12519.68,5519.69 r270 bottom value=16
R43 "R" "R0402 Reflow" 10983.64,6777.56 r270 bottom value=33
R44 "R" "R0402 Reflow" 10846.46,6287.4 r0 bottom value=4K7
R45 "R" "R0402 Reflow" 11417.32,6267.72 r90 top value=330
R46 "R" "R0402 Reflow" 11460.63,5964.57 r270 top value=4K7
R47 "R" "R0402 Reflow" 11330.71,6535.43 r90 top value=4K7
R48 "R" "R0603 Reflow" 2204.72,8788.27 r270 top value=4K7